# Altium PCB DRS4-PCB.PcbDoc (part 14 of 15)
Units mil, origin at the board's own origin, x right, y up, seen from the top; angles counter-clockwise.
Board outline 12350 x 7411.06 mil, 12 copper layers (Top Layer, Ground Layer 2, Signal Layer 3, Signal Layer 4, Ground Layer 5, Power Layer 6, Ground Layer 7, Ground Layer 8, Power Layer 9, Power Layer 10, Ground Layer 11, Bottom Layer), stack 61.6 mil thick; 1411 components, 1117 nets, 4255 pads, 2550 vias.
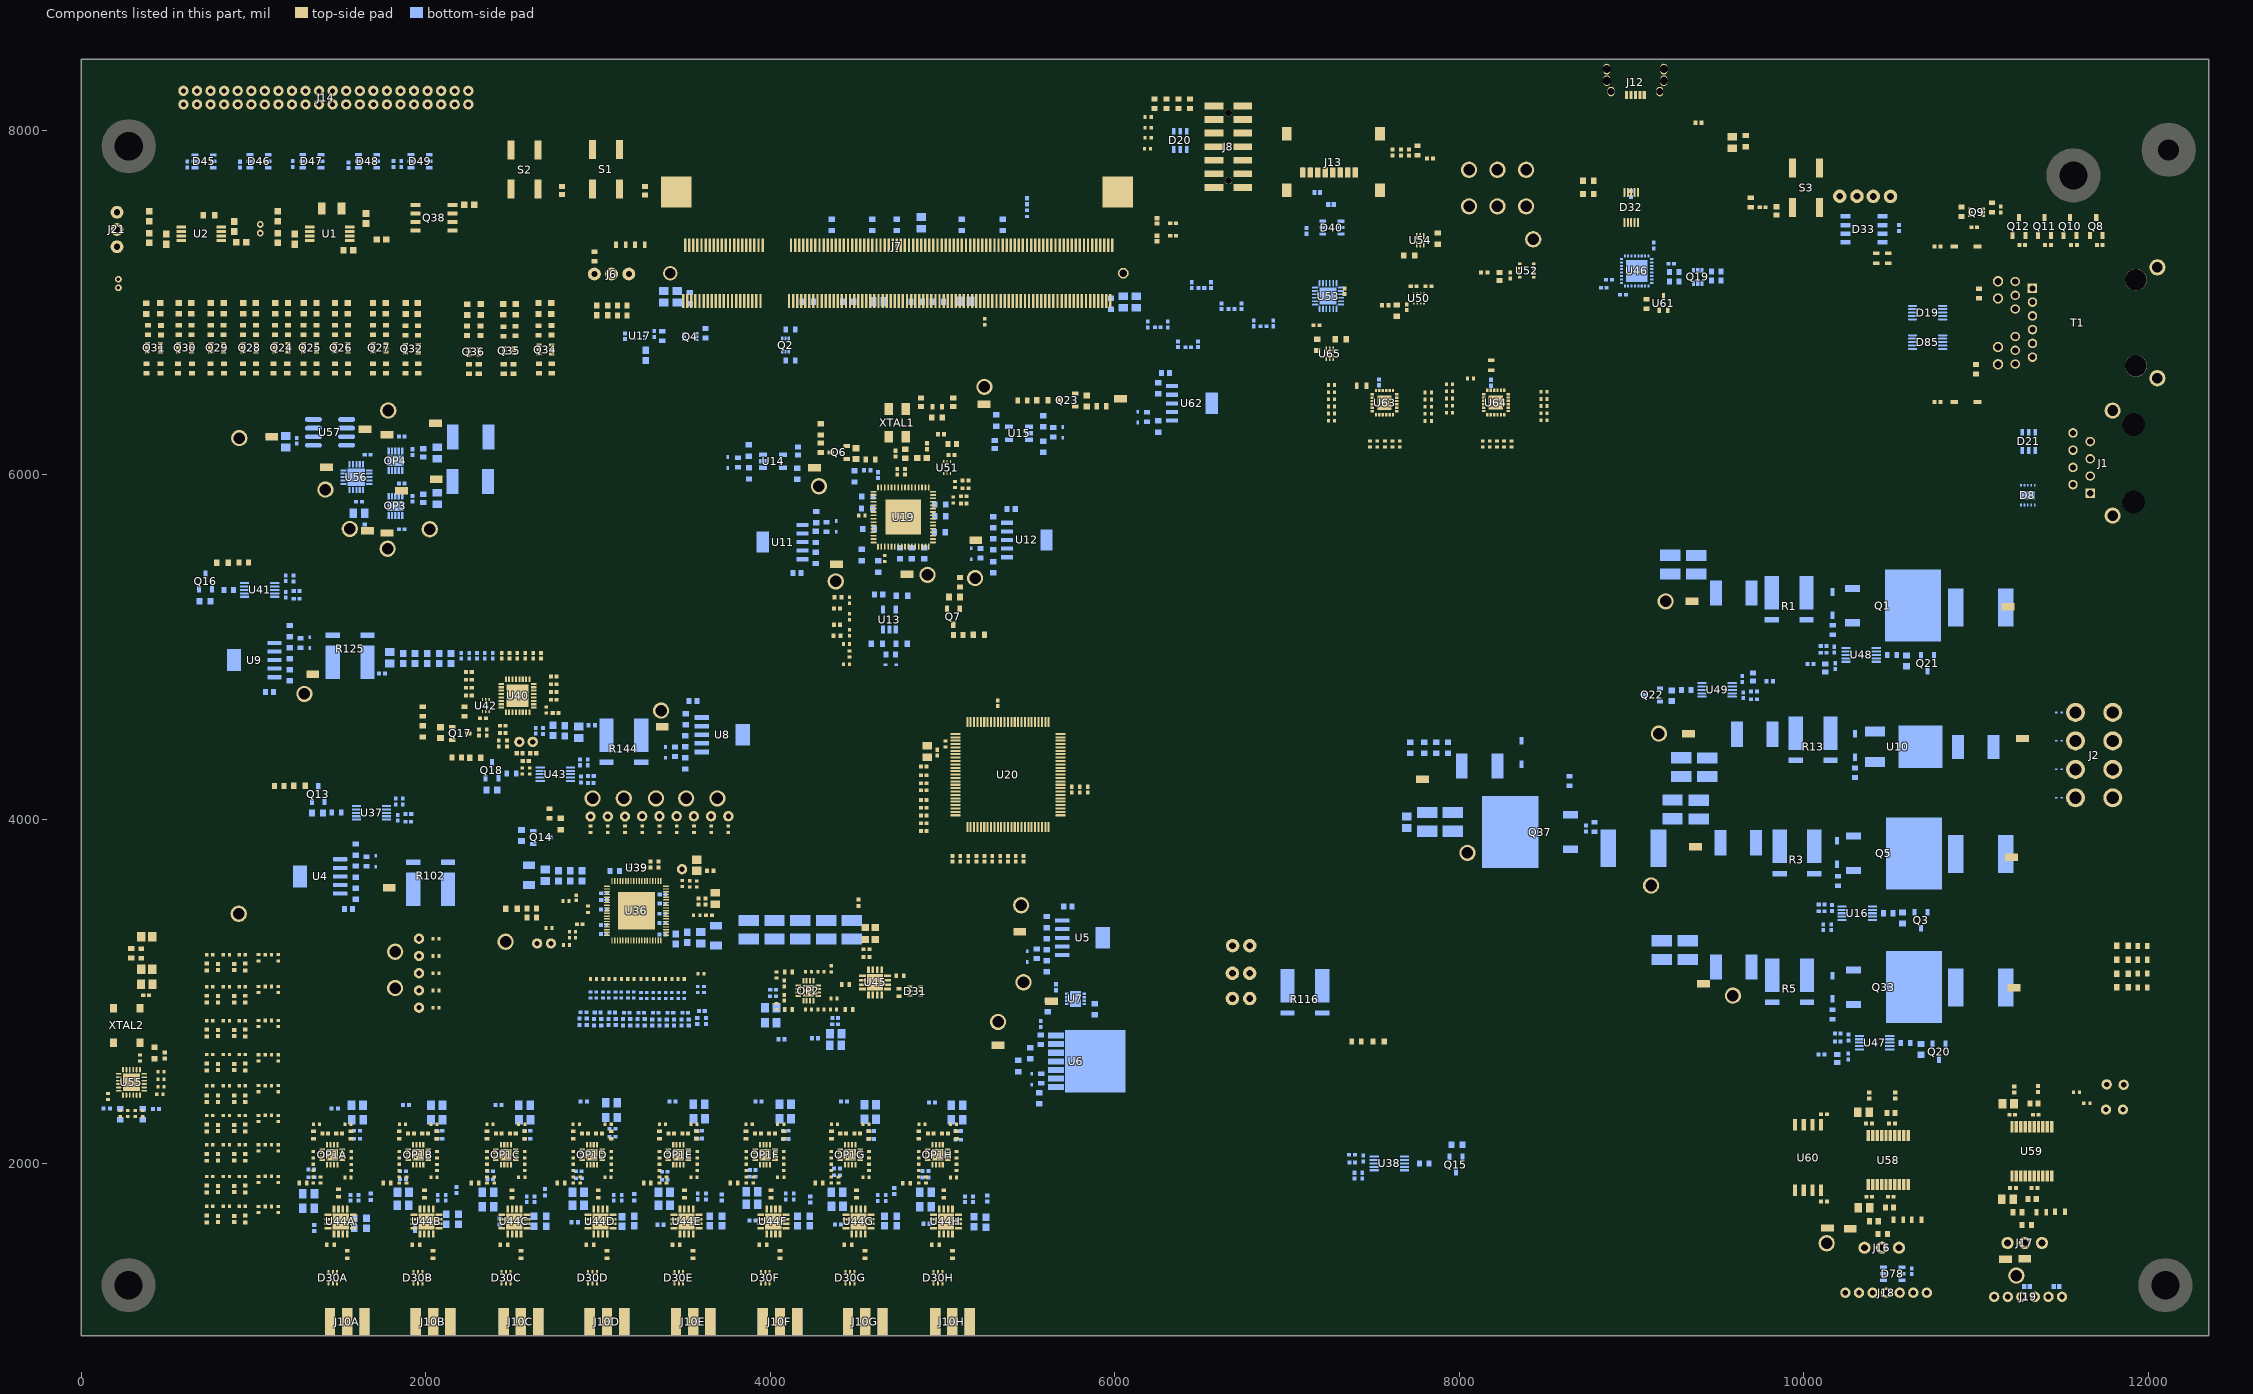
[diagram p24: the components of this part, seen from the top]

## Polygon pours and split planes (outlines as drawn) (continued)
3.3V on Top Layer "Top Layer-3.3V 12" (solid, pour order 910): 3249.84,3712.99 3280.87,3712.99 3285.96,3707.97 3288.57,3707.97 3367.85,3707.89 3367.85,3734.82 3290.91,3734.9 3280.05,3724.04 3249.84,3724.04
TRB_GND on Top Layer " " (solid, pour order 2236): 5910.96,7745.79 6128.59,7745.79 6128.59,7447.06 5893.8,7447.06 5893.8,7745.79
2V5_REF on Top Layer "Top Layer-2V5_REF" (solid, pour order 880): 1597.89,6290.4 1597.89,6201.42 1602.29,6197.03 1691.69,6197.03 1697.45,6202.79 1697.45,6292.28 1693.43,6296.31 1600.92,6296.31 1597.89,6293.28
3V_ADC_ANA on Top Layer "Top Layer-3V_ADC_ANA" (solid, pour order 1960): 3332.08,4568.93 3447.47,4568.93 3447.47,4503.49 3332.08,4503.49
TRB_GND on Top Layer "Top Layer-GND 96" (solid, pour order 1956): 1713.66,3495.68 1863.32,3495.68 1863.32,3405.67 1713.66,3405.67
2V5_DRS_ANA on Top Layer "Top Layer-2V5_DRS_ANA" (solid, pour order 1954): 1721.76,3660.35 1850.98,3660.35 1850.98,3576.57 1722.36,3576.57
no net on Top Layer "Top Layer-No Net 5" (solid, pour order 1930): 399.89,2596.15
VCC_1V8_PS on Top Layer "Top Layer-VCC_1V8_PS" (solid, pour order 1928): 6187.95,8233.44 6187.95,8203.54 6485.05,8203.54 6485.3,8251.84 6187.95,8252.1
TRB_GND on Top Layer "Top Layer-GND 88" (solid, pour order 1912): 7205.91,6760.33 7205.91,6831.02 7068.62,6831.02 7068.62,6760.62
no net on Top Layer "Top Layer-No Net 6" (solid, pour order 1910): 7257.45,6705.43
3.3V on Top Layer "Top Layer-3.3V 5" (solid, pour order 1908): 7124.83,6603.01 7124.83,6653.79 7068.93,6709.8 7069,6748.12 7235.86,6748.12 7235.86,6603.01
3.3V on Top Layer "Top Layer-3.3V 9" (solid, pour order 1898): 7781.43,7406.09 7801.9,7406.09 7816.8,7391.42 7847.89,7360.33 7989.16,7360.33 7989.16,7310.97 7786.29,7310.97 7781.43,7315.83
CLK_VDDO_2V5 on Top Layer "Top Layer-CLK_VDDO_2V5 3" (solid, pour order 1894): 5135.03,5681.07 5240.24,5681.07 5240.24,5583.19 5135.03,5583.19
no net on Top Layer "Top Layer-No Net 4" (solid, pour order 1886): 5135.98,5717.24
CLK_VDD_1V8 on Top Layer "Top Layer-CLK_VDD_1V8 2" (solid, pour order 1884): 4334.41,5582.95 4439.33,5582.95 4439.33,5436.56 4334.41,5436.56
3.3V on Top Layer "Bottom Layer-3.3V 27" (solid, pour order 790): 5976.69,4169.09 5718.03,4169.09 5649.13,4169.09 5649.13,4129.76 5976.69,4129.76
TRB_GND on Top Layer "Bottom Layer-GND 124" (solid, pour order 1802): 5723.98,4187.64 5737.24,4174.37 5889.8,4174.37 5889.8,4242.05 5723.98,4242.05
NetC92_1 on Top Layer "Top Layer-NetC92_1" (solid, pour order 724): 4960.88,6414.43 4960.88,6296.91 4962.7,6295.1 4875.77,6295.1 4827.32,6343.55 4738.28,6343.55 4738.28,6421.57 4960.88,6421.57
VCC_IO_B34 on Top Layer "Top Layer-VCC_IO_B34" (solid, pour order 1876): 5977.68,6485.35 6207.83,6485.35 6208.78,6486.3 6208.78,6406.73 6209.76,6405.75 5978.31,6405.75 5977.68,6406.38
DRS4_DVDD on Top Layer "Top Layer-2V5_DRS_DIG" (solid, pour order 1844): 5248.04,2719.82 5397.65,2719.82 5397.89,2655.09 5398.28,2654.7 5248.04,2655.09
TRB_GND on Top Layer "Top Layer-GND 81" (solid, pour order 1842): 5557.57,2905.12 5672.77,2905.12 5672.98,2847.09 5557.57,2847.39
DRS4_DVDD on Top Layer "Top Layer-2V5_DRS_DIG 1" (solid, pour order 1840): 5557.97,2973.5 5675.4,2973.5 5675.62,2913.25 5557.97,2913.56
CLK_VDDA_3V3 on Top Layer "Top Layer-CLK_VDDA_3V3" (solid, pour order 1832): 4211.42,6066.06 4341.5,6066.06 4341.69,6010.52 4214.49,6010.31 4211.42,6010.31
NetC223_1 on Top Layer "Top Layer-4V 1" (solid, pour order 1830): 4260.68,2965.66 4260.68,3041.28 4320.94,3041.28 4327.16,3035.06 4327.16,2970.1 4322.73,2965.66
2V5_ADC_DIG on Top Layer "Top Layer-2V5_ADC_DIG" (solid, pour order 1804): 1273.32,4869.33 1408.71,4869.33 1408.71,4813.86 1273.32,4813.86
VDD_MARS_3V3 on Top Layer "Top Layer-VDD_MARS_3V3" (solid, pour order 1800): 7736.38,4262.48 7894.09,4262.48 7894.09,4095.59 7894.53,4095.16 7884.84,4085.47 7728.07,4085.47 7718.39,4095.16 7718.39,4262.48
TRB_GND on Top Layer "Top Layer-GND 78" (solid, pour order 1798): 7746.1,4326.75 7826.38,4326.81 7837.24,4315.94 7854.52,4315.94 7854.52,4287.2 7834.17,4287.2 7821.46,4274.49 7746.1,4274.49
3.3V on Top Layer "Top Layer-3.3V 25" (solid, pour order 1784): 8533.15,6509.02 8582.4,6509.02 8582.4,6290.15 8533.15,6290.15
3.3V on Top Layer "Top Layer-3.3V 25" (solid, pour order 1782): 7216.1,6282.8 7166.85,6282.8 7166.85,6535.31 7216.1,6535.31
3.3V on Top Layer "Top Layer-3.3V 24" (solid, pour order 1758): 8053.69,6110.67 8053.69,6146.14 8370.12,6146.14 8370.12,6110.67
3.3V on Top Layer "Top Layer-3.3V 25" (solid, pour order 1756): 7860.75,6559.65 7909.57,6559.65 7910,6559.21 7910,6261.81 7860.75,6261.81
NetC200H_1 on Top Layer "Top Layer-4V 1" (solid, pour order 1438): 4932.34,2012.34 5014.48,2012.34 5014.48,1948.56 5011.77,1945.86 4936.78,1945.86 4932.34,1950.29
NetC199H_1 on Top Layer "Top Layer-4V 1" (solid, pour order 1754): 5007.97,2092.44 4932.35,2092.44 4932.35,2149.15 4937.96,2154.76 5003,2154.76 5007.97,2149.79
NetC217H_2 on Top Layer "Top Layer-3.3V 22" (solid, pour order 1436): 5045.87,1715.87 5145.21,1715.87 5145.21,1774.45 5062.95,1774.45 5045.87,1757.36
NetC217G_2 on Top Layer "Top Layer-3.3V 22" (solid, pour order 1414): 4538.34,1717.99 4637.69,1717.99 4637.69,1776.57 4555.43,1776.57 4538.34,1759.49
NetC200G_1 on Top Layer "Top Layer-4V 1" (solid, pour order 1408): 4424.83,2014.47 4506.17,2014.47 4506.17,1944.9 4502.37,1941.1 4430.19,1941.1 4424.83,1946.46
NetC199G_1 on Top Layer "Top Layer-4V 1" (solid, pour order 1406): 4500.45,2094.57 4424.83,2094.57 4424.83,2151.27 4430.44,2156.88 4495.48,2156.88 4500.45,2151.91
NetC217F_2 on Top Layer "Top Layer-3.3V 22" (solid, pour order 1404): 4043.82,1717.99 4143.17,1717.99 4143.17,1776.57 4060.91,1776.57 4043.82,1759.49
NetC199F_1 on Top Layer "Top Layer-4V 1" (solid, pour order 1400): 4005.65,2094.57 3930.03,2094.57 3930.03,2151.27 3935.64,2156.88 4000.68,2156.88 4005.65,2151.91
NetC200F_1 on Top Layer "Top Layer-4V 1" (solid, pour order 1380): 3930.7,2011.92 4010.11,2011.92 4010.11,1947.2 4004.58,1941.66 3939.17,1941.66 3930.7,1950.14
NetC217E_2 on Top Layer "Top Layer-3.3V 22" (solid, pour order 1376): 3540.12,1717.99 3639.47,1717.99 3639.47,1776.57 3557.2,1776.57 3540.12,1759.49
NetC200E_1 on Top Layer "Top Layer-4V 1" (solid, pour order 1374): 3426.95,2014.47 3502.57,2014.47 3502.57,1954.21 3496.35,1947.98 3431.39,1947.98 3426.95,1952.42
NetC199E_1 on Top Layer "Top Layer-4V 1" (solid, pour order 1358): 3502.58,2094.57 3426.96,2094.57 3426.96,2151.27 3432.57,2156.88 3497.61,2156.88 3502.58,2151.91
NetC199D_1 on Top Layer "Top Layer-4V 1" (solid, pour order 1346): 3001.67,2094.57 2926.05,2094.57 2926.05,2151.27 2931.66,2156.88 2996.7,2156.88 3001.67,2151.91
NetC200D_1 on Top Layer "Top Layer-4V 1" (solid, pour order 1330): 2926.05,2014.47 3001.66,2014.47 3001.66,1951.46 2991.8,1941.6 2932.9,1941.6 2926.05,1948.46
NetC200C_1 on Top Layer "Top Layer-4V 1" (solid, pour order 1308): 2426.79,2012.35 2502.41,2012.35 2502.41,1946.01 2498.06,1941.65 2430.61,1941.65 2426.79,1945.47
NetC199C_1 on Top Layer "Top Layer-4V 1" (solid, pour order 1306): 2502.42,2092.45 2426.8,2092.45 2426.8,2149.15 2432.41,2154.76 2497.45,2154.76 2502.42,2149.79
NetC217B_2 on Top Layer "Top Layer-3.3V 22" (solid, pour order 1304): 2030.67,1717.99 2130.02,1717.99 2130.02,1776.57 2047.76,1776.57 2030.67,1759.49
NetC199B_1 on Top Layer "Top Layer-4V 1" (solid, pour order 1294): 1992.97,2092.45 1917.35,2092.45 1917.35,2149.15 1922.96,2154.76 1988,2154.76 1992.97,2149.79
NetC200B_1 on Top Layer "Top Layer-4V 1" (solid, pour order 1288): 1917.34,2012.35 1992.96,2012.35 1992.96,1952.09 1986.74,1945.87 1921.78,1945.87 1917.34,1950.3
NetC200A_1 on Top Layer "Top Layer-4V 1" (solid, pour order 1280): 1418.6,2012.35 1494.21,2012.35 1494.21,1952.09 1487.99,1945.87 1423.03,1945.87 1418.6,1950.3
NetC199A_1 on Top Layer "Top Layer-4V 1" (solid, pour order 1270): 1494.22,2092.45 1418.6,2092.45 1418.6,2149.15 1424.21,2154.76 1489.25,2154.76 1494.22,2149.79
TRB_GND on Top Layer "Top Layer-GND 76" (solid, pour order 1238): 132.5,2734.84 210.3,2734.84 212.7,2732.44 212.7,2658.11 210.18,2655.59 132.83,2655.59
LT_3V3_VISO on Top Layer "Top Layer-PB_3V3 1" (solid, pour order 1182): 10228.74,1677.34 10309.52,1677.34 10315.84,1671.02 10315.84,1593.41 10218.49,1593.41 10218.49,1669.74
no net on Top Layer "Top Layer-No Net 3" (solid, pour order 1152): 10116.15,2319.91
3V3_VPP_PB on Top Layer "Top Layer-3.3V 3" (solid, pour order 120): 11343.43,2368.4 11375.93,2368.4 11375.93,2362.77 11375.93,2338.43 11375.93,2273.4 11372.5,2269.96 11372.5,2181.25 11351.25,2181.25 11351.25,2262.05 11348.94,2264.36 11348.94,2324.56 11343.43,2330.06
TRB_GND on Top Layer "Top Layer-GND 62" (solid, pour order 1132): 5969.19,6564.52 6097.67,6564.52 6097.67,6495.39 5954.52,6495.38 5954.52,6564.52
3.3V on Top Layer "Top Layer-3.3V 18" (solid, pour order 1038): 9331.34,3150.09 9505.23,3150.09 9505.75,3150.61 9505.75,2934.52 9507.82,2932.45 9329.8,2932.45 9328.26,2933.99 9328.26,3150.09
VCC_3V3 on Top Layer "Top Layer-VCC_3V3 2" (solid, pour order 1036): 9286.38,3945.66 9460.27,3945.66 9460.79,3946.18 9460.79,3730.09 9462.86,3728.02 9284.84,3728.02 9283.29,3729.56 9283.29,3945.66
-1V on Top Layer "Top Layer--1V" (solid, pour order 1034): 9243.82,4601.94 9417.71,4601.94 9418.23,4602.46 9418.23,4386.37 9420.3,4384.3 9242.28,4384.3 9240.74,4385.84 9240.74,4601.94
TRB_GND on Top Layer "Top Layer-GND 47" (solid, pour order 1006): 7615.54,6946.37 7656.64,6946.38 7678.18,6967.91 7745.14,6967.91 7745.14,6901.03 7615.54,6901.03
TRB_GND on Top Layer "Top Layer-GND 49" (solid, pour order 1000): 8332.01,7202.93 8340.15,7211.07 8383.44,7211.07 8395.43,7199.08 8395.43,7186.2 8332.01,7186.2
TRB_GND on Top Layer "Top Layer-GND 50" (solid, pour order 998): 8212.16,7151.6 8277.61,7151.6 8282.6,7156.59 8364.83,7156.59 8364.83,7116.9 8278.69,7116.9 8269.43,7107.64 8212.16,7107.64
TRB_GND on Top Layer "Top Layer-GND 51" (solid, pour order 994): 7315.87,7069.02 7351.23,7069.02 7351.48,7125.72 7346.94,7130.26 7319.53,7130.26 7315.87,7126.6
3V3_SD on Top Layer "Top Layer-3V3_SD" (solid, pour order 992): 7315.87,7066.37 7375.94,7066.37 7385.2,7057.11 7385.2,7036.27 7375.53,7026.6 7315.67,7026.6
3.3V on Top Layer "Top Layer-3.3V 17" (solid, pour order 990): 7831.14,7885.02 7898.57,7885.02 7905.07,7878.52 7905.07,7788.93 7899.55,7783.41 7831.14,7783.41
TRB_GND on Top Layer "Top Layer-GND 52" (solid, pour order 984): 7586.01,7908.26 7708.17,7908.26 7725.01,7925.76 7777.49,7925.76 7777.49,7889.08 7738.66,7889.08 7722.04,7872.46 7586.01,7872.46
3V3_SD on Top Layer "Top Layer-3V3_SD 1" (solid, pour order 982): 19 vertices, not listed, extent 7244.21,7703.65 7826.28,7884.64
no net on Top Layer "Top Layer-No Net 1" (solid, pour order 980): 7822.33,7818.96
PS_SRST# on Top Layer "Top Layer-POR" (solid, pour order 964): 3082.77,7960.61 3199.78,7960.61 3199.78,7667.16 3217.67,7649.27 3297.9,7649.27 3297.9,7581.23 3082.77,7581.23
TRB_GND on Top Layer "Top Layer-GND 41" (solid, pour order 954): 5118.82,6253.51 5118.97,6119.51 5092.47,6093.01 5057.79,6093.01 5055.08,6095.72 5055.08,6253.51
NetC271_2 on Top Layer "Top Layer-3.3V 13" (solid, pour order 950): 5021.69,6064.06 5033.26,6064.06 5033.41,6085.63 5052.49,6104.71 5052.49,6253.43 4988.92,6253.43 4988.5,6116.77 5019.33,6085.94 5019.33,6064.06
TRB_GND on Top Layer "Top Layer-GND 42" (solid, pour order 948): 4972.45,5984.51 5015.34,5984.51 5019.34,5988.52 5019.34,6029 5037.52,6029 5037.52,5976.12 5027.86,5966.47 4972.45,5966.47
3.3V on Top Layer "Top Layer-3.3V 14" (solid, pour order 942): 2334.47,4597.72 2340.87,4604.12 2340.87,4634.7 2354.72,4634.7 2354.72,4604.14 2361.72,4597.14 2361.72,4573.37 2334.47,4573.37
TRB_GND on Top Layer "Top Layer-GND 37" (solid, pour order 936): 3289.94,3740.7 3366.6,3740.7 3366.6,3771.22 3289.94,3771.22
NetC343_1 on Top Layer "Top Layer-NetC343_1" (solid, pour order 906): 2015.97,6328.9 2095.67,6328.9 2104.18,6320.38 2104.18,6260.54 2095.4,6251.76 2014.22,6251.76 2004.88,6261.1 2004.88,6317.81
NetC340_1 on Top Layer "Top Layer-NetC340_1" (solid, pour order 898): 2018.76,6019.94 2101.82,6019.94 2108.95,6012.81 2108.95,5931.77 2100.17,5922.99 2018.99,5922.99 2009.64,5932.34 2009.64,6010.82
VOUT- on Top Layer "Top Layer-VOUT-" (solid, pour order 894): 1721.9,5703.29 1734.53,5713.09 1817.33,5713.09 1827.83,5702.59 1827.83,5635.4 1721.9,5635.4
NetC335_1 on Top Layer "Top Layer-3.3V 10" (solid, pour order 888): 1618.37,5662.11 1618.37,5724.34 1624.54,5730.52 1699.61,5730.52 1704.6,5725.53 1704.6,5646.95 1618.37,5646.95
NetC337_1 on Top Layer "Top Layer-3.3V 11" (solid, pour order 884): 1060.27,6274.19 1060.27,6186.45 1167.68,6186.45 1167.68,6266.87 1160.35,6274.19
CM on Top Layer "Top Layer-CM" (solid, pour order 878): 1718.33,6182.04 1840.45,6182.04 1845.05,6186.63 1845.05,6268.79 1837.85,6275.99 1716.14,6275.99 1708.08,6267.94 1708.08,6192.25
BIAS on Top Layer "Top Layer-BIAS" (solid, pour order 872): 1378.64,6089.21 1373.95,6084.52 1373.95,5996.87 1381.88,5988.95 1482.78,5988.95 1490.06,5996.22 1490.06,6081.26 1482.11,6089.21
3V3_LED on Top Layer "Top Layer-3V3_LED" (solid, pour order 818): 2636.89,7107.17 2781.94,7107.17 2786.24,7102.86 2786.24,7070.97 2786.24,7045.44 2781.41,7040.6 2634.8,7040.6 189.08,7040.6 181.23,7048.45 181.23,7096.7 191.69,7107.17
CLK_VDDS_3V3 on Top Layer "Top Layer-CLK_VDDS_3V3" (solid, pour order 720): 5293.95,6435.19 5101.81,6435.19 5088.63,6422.01 4976.94,6422.01 4976.94,6301.97 4971.93,6296.96 5293.95,6296.96
CLK_VDD_1V8 on Top Layer "Top Layer-CLK_VDD_1V8" (solid, pour order 718): 4963.91,5815.21 4917.38,5815.21 4911.01,5808.84 4889.51,5808.84 4889.45,5836.29 4914.92,5836.4 4920.47,5830.86 4963.91,5830.86
CLK_VDDO_2V5 on Top Layer "Top Layer-CLK_VDD_1V8" (solid, pour order 684): 4963.91,5756.16 4917.38,5756.16 4911.01,5749.78 4889.51,5749.78 4889.45,5777.23 4914.92,5777.35 4920.47,5771.8 4963.91,5771.8
CLK_VDDO_2V5 on Top Layer "Top Layer-CLK_VDD_1V8" (solid, pour order 682): 4963.91,5657.73 4917.38,5657.73 4911.01,5651.36 4889.51,5651.36 4889.45,5678.81 4914.92,5678.92 4920.47,5673.38 4963.91,5673.38
CLK_VDD_1V8 on Top Layer "Top Layer-CLK_VDD_1V8" (solid, pour order 680): 4872.32,5562.27 4872.32,5608.8 4865.94,5615.18 4865.94,5636.67 4893.39,5636.73 4893.51,5611.26 4887.96,5605.71 4887.96,5562.27
CLK_VDDO_2V5 on Top Layer "Top Layer-CLK_VDDO_2V5" (solid, pour order 604): 4813.27,5562.27 4813.27,5608.8 4806.89,5615.18 4806.89,5636.67 4834.34,5636.73 4834.45,5611.26 4828.91,5605.71 4828.91,5562.27
CLK_VDDO_3V3 on Top Layer "Top Layer-CLK_VDDO_3V3" (solid, pour order 602): 4754.21,5562.27 4754.21,5608.8 4747.83,5615.18 4747.83,5636.67 4775.28,5636.73 4775.4,5611.26 4769.85,5605.71 4769.85,5562.27
CLK_VDDO_2V5 on Top Layer "Top Layer-CLK_VDDO_2V5 1" (solid, pour order 600): 4633.02,5524.4 4644.52,5524.4 4644.52,5549.16 4632.88,5560.8 4632.88,5600.81 4615.85,5600.81 4615.85,5564.54 4615.87,5560.11 4602.08,5546.43 4602.08,5524.37 4616.04,5524.37
CLK_VDD_1V8 on Top Layer "Top Layer-CLK_VDD_1V8 1" (solid, pour order 598): 4577.85,5615.03 4564.16,5628.83 4542.11,5628.83 4542.11,5614.87 4542.14,5600.24 4618.54,5600.86 4618.54,5615.05 4582.27,5615.05
CLK_VDDO_2V5 on Top Layer "Top Layer-CLK_VDDO_2V5 2" (solid, pour order 596): 4580.01,5732.6 4626.53,5732.6 4632.91,5738.98 4654.41,5738.98 4654.46,5711.53 4629,5711.41 4623.45,5716.96 4580.01,5716.96
CLK_VDDO_3V3 on Top Layer "Top Layer-CLK_VDDO_3V3 1" (solid, pour order 594): 4580.01,5811.34 4626.53,5811.34 4632.91,5817.72 4654.41,5817.72 4654.46,5790.27 4629,5790.15 4623.45,5795.7 4580.01,5795.7
TRB_GND on Top Layer "Top Layer-GND" (solid, pour order 228): 11113.63,7594.07 11113.63,7586.29 11128.75,7571.17 11158.08,7571.17 11158.08,7543.26 11129.22,7543.06 11109.36,7562.92 11073.41,7562.92 11073.41,7594.07
TD3 on Top Layer "Top Layer-TD3" (solid, pour order 226): 11270.33,7317.2 11270.33,7364.68 11266.79,7368.22 11266.79,7416.41 11301.27,7416.41 11301.27,7352.63 11297.73,7349.09 11297.73,7317.2
TD2 on Top Layer "Top Layer-TD2" (solid, pour order 222): 11419.54,7316.73 11419.54,7364.68 11415.84,7368.38 11415.84,7416.41 11450.49,7416.41 11450.49,7352.63 11446.94,7349.09 11446.94,7316.73
TD1 on Top Layer "Top Layer-TD1" (solid, pour order 220): 11569.94,7315.78 11569.94,7364.68 11565.84,7368.78 11565.84,7416.41 11600.88,7416.41 11600.88,7352.63 11597.34,7349.09 11597.34,7315.78
TD0 on Top Layer "Top Layer-TD0" (solid, pour order 218): 11720.33,7316.96 11720.33,7364.68 11718.2,7366.81 11718.2,7416.41 11751.27,7416.41 11751.27,7352.63 11747.73,7349.09 11747.73,7316.96
TRB_GND on Top Layer "Top Layer-GND 5" (solid, pour order 180): 9554.7,7910.89 9554.7,7879.47 9554.7,7868.84 9570.12,7868.84 9595.81,7868.84 9612.58,7868.84 9624.39,7880.65 9649.43,7880.65 9674.47,7880.65 9684.86,7880.65 9684.86,7891.05 9684.86,7916.56 9684.86,7924.12 9554.7,7924.12
TRB_GND on Top Layer "Top Layer-GND 6" (solid, pour order 158): 10190.32,7673.51 10139.59,7622.78 10139.59,7488.94 10067.49,7488.94 10067.49,7673.51 10067.49,7881.86 10111.8,7881.86 10144.26,7881.86 10190.32,7881.86 10190.32,7871.23 10190.32,7838.28 10190.32,7716.97
TLTB_GND on Top Layer "Top Layer-LT_GND" (solid, pour order 150): 10343.64,1712.5 10331.14,1712.5 10297.39,1712.5 10288.24,1712.5 10288.24,1722.9 10288.24,1758.36 10288.64,1758.77 10288.64,1776.25 10344.49,1832.1 10344.49,1916.25 10384.89,1916.25 10384.89,1841.25 10376.14,1832.5 10376.14,1798.75 10343.64,1766.25
TLTB_GND on Top Layer "Top Layer-LT_GND 1" (solid, pour order 146): 10491.47,1725.79 10439.5,1725.79 10439.5,1912.5 10512.39,1912.5 10512.39,1833.75 10501.14,1822.5 10501.14,1782.5 10491.48,1772.83
LT_3V3 on Top Layer "Top Layer-LT_3V3" (solid, pour order 144): 10529.89,1661.25 10529.89,1654.57 10497.38,1654.57 10497.39,1659.71 10497.39,1690.52 10497.39,1769.37 10507.09,1779.07 10507.09,1822.28 10516.05,1831.25 10516.05,1912.5 10538.7,1912.5 10538.7,1726.84 10529.89,1719.28
LT_3V3_VISO on Top Layer "Top Layer-LT_3V3_VISO" (solid, pour order 142): 10400.29,1657.98 10400.29,1645.37 10356.53,1645.37 10356.53,1651.76 10356.53,1679.23 10356.54,1770.56 10382.01,1796.03 10382.01,1827.92 10389.57,1835.48 10389.57,1911.95 10409.79,1911.95 10409.79,1700.26 10400.29,1692.26
NetR331_2 on Top Layer "Top Layer-NetR331_2" (solid, pour order 138): 11250,1738.75 11283.75,1738.75 11283.75,1663.4 11281.6,1661.25 11281.6,1625 11250,1625
PB_3V3 on Top Layer "Top Layer-PB_3V3" (solid, pour order 136): 11363.75,1711.25 11363.75,1699.5 11331.24,1699.5 11331.24,1706.26 11331.24,1731.24 11331.25,1819.38 11340.94,1829.07 11340.94,1872.28 11349.91,1881.25 11349.91,1962.5 11372.56,1962.5 11372.56,1776.84 11363.75,1769.28
TPCB_GND on Top Layer "Top Layer-PB_GND 1" (solid, pour order 130): 11317.5,1776.25 11285,1776.25 11274.14,1785.02 11274.14,1962.5 11325,1962.5 11346.25,1962.5 11346.25,1883.75 11335,1872.5 11335,1832.5 11317.5,1815
PB_3V3_VISO on Top Layer "Top Layer-PB_3V3_VISO" (solid, pour order 128): 11233.75,1708.75 11233.75,1696.1 11190,1696.1 11190,1730 11190,1821.33 11217.42,1848.75 11217.42,1880.64 11223.03,1886.25 11223.03,1962.71 11245,1962.71 11245,1752.5 11233.75,1743.03
TPCB_GND on Top Layer "Top Layer-PB_GND 2" (solid, pour order 126): 11177.5,1762.5 11165,1762.5 11131.25,1762.5 11122.1,1762.5 11122.1,1772.9 11122.09,1808.36 11122.5,1808.77 11122.5,1826.25 11178.35,1882.1 11178.35,1966.25 11218.75,1966.25 11218.75,1891.25 11210,1882.5 11210,1848.75 11177.5,1816.25
no net on Top Layer "Top Layer-No Net" (solid, pour order 124): 11325,1785
TRB_GND on Top Layer "Top Layer-GND 8" (solid, pour order 122): 18 vertices, not listed, extent 11246.66,2177.75 11346.25,2369.25
TRB_GND on Top Layer "Top Layer-GND 10" (solid, pour order 114): 10490.66,2201.75 10465.99,2201.75 10463.55,2199.32 10463.55,2129.49 10415.29,2129.29 10415.19,2221.09 10444.61,2250.52 10444.61,2317.79 10471.38,2317.79 10502.28,2317.79 10502.28,2277.72 10513.58,2266.42 10513.58,2130 10491.25,2130 10491.25,2201.16
3V3_VPP_LT on Top Layer "Top Layer-3.3V 4" (solid, pour order 112): 10513.75,2314.54 10545,2314.54 10545,2283.75 10545,2217.5 10538.75,2211.25 10538.75,2130 10517.5,2130 10517.5,2211.47 10516.25,2212.72 10516.25,2272.91 10513.75,2275.41